# KiCad board RP2350pc_Rev_A.kicad_pcb (continued)
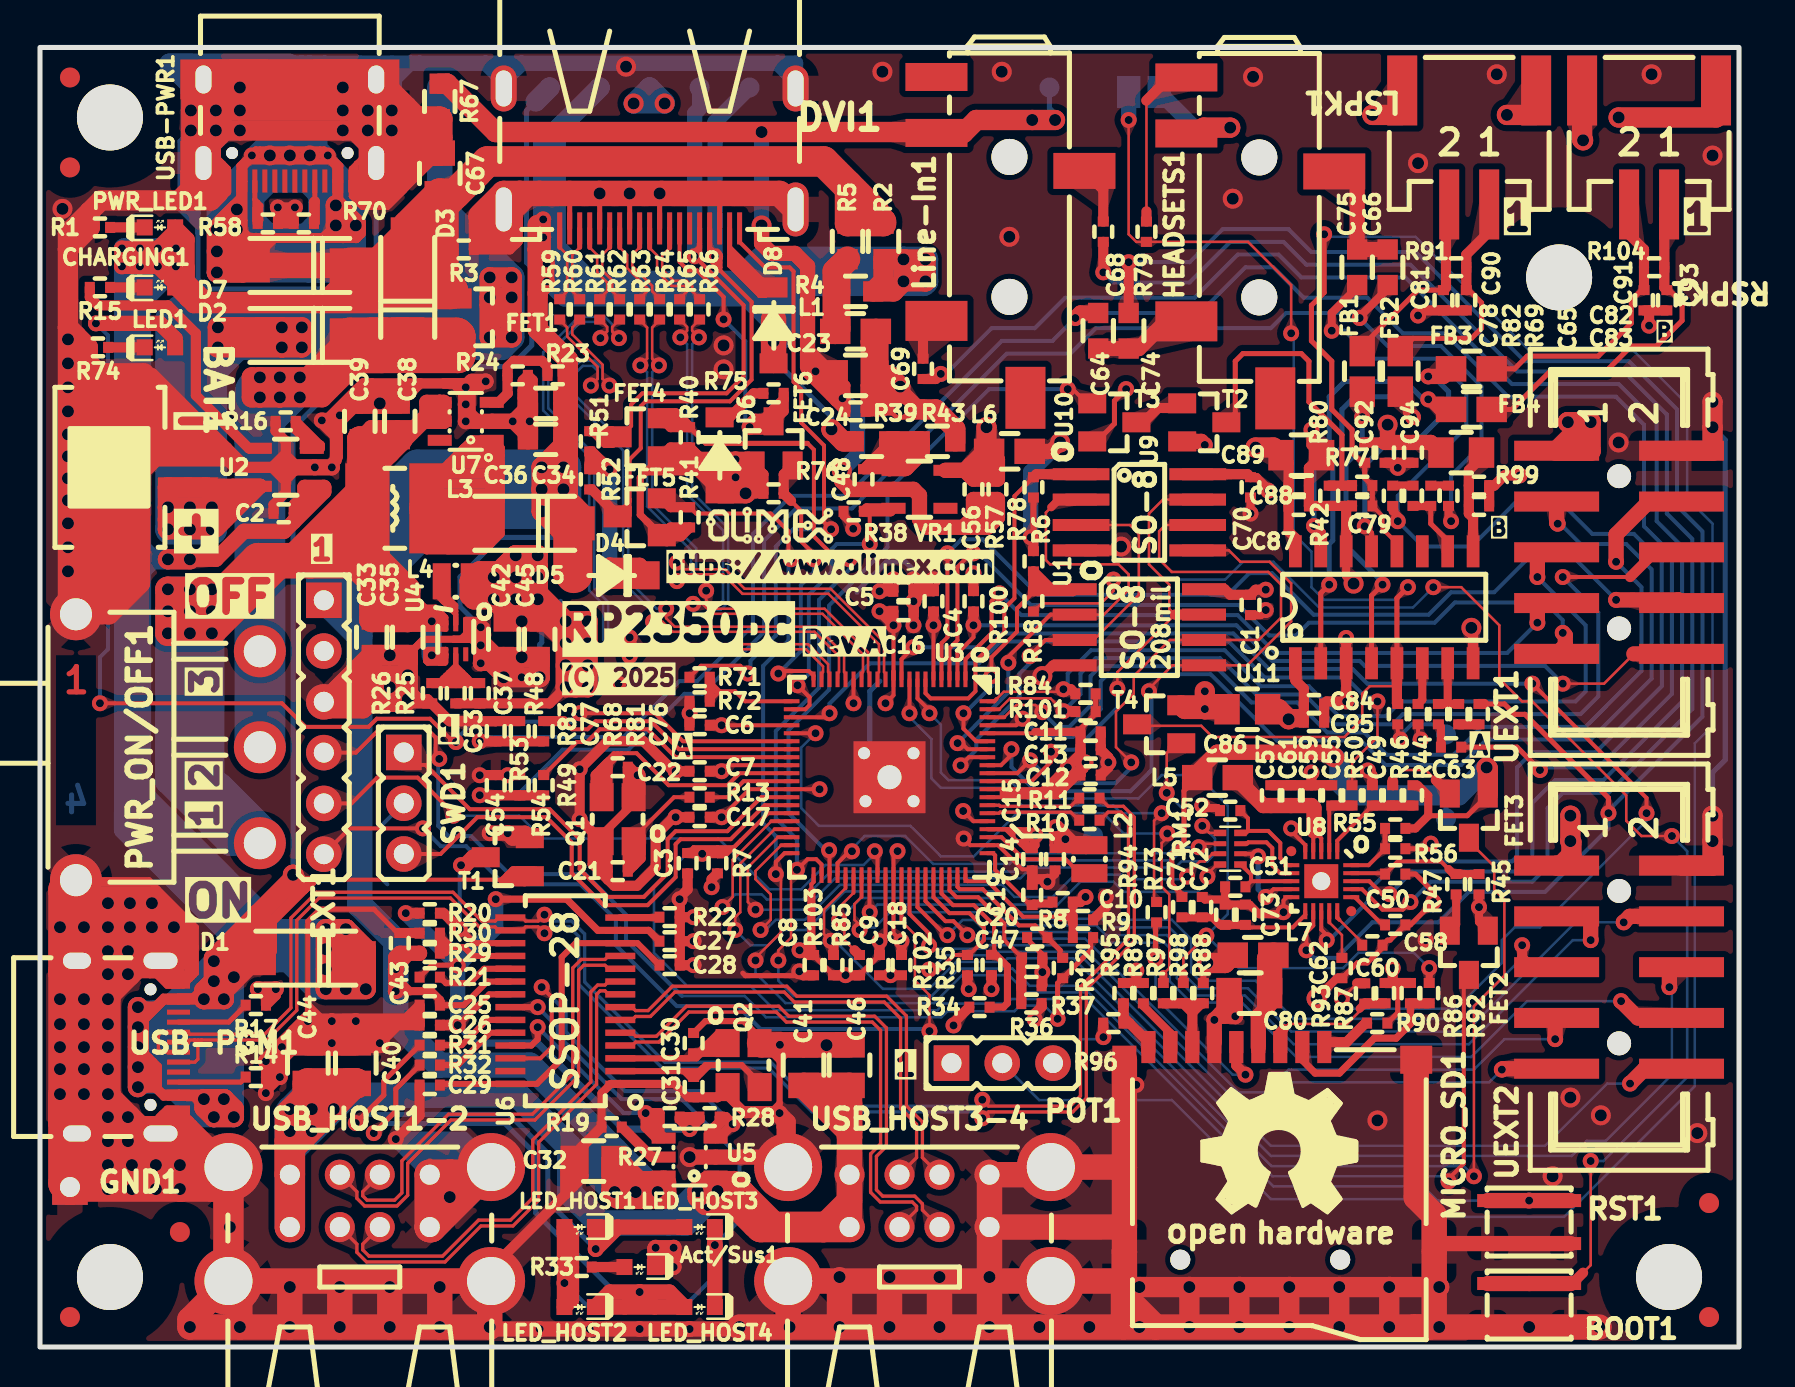
[diagram p0: board, top side]
## Footprints (pads in the part's own frame, mm; a bottom-side part is the same pattern mirrored in y, then rotated)
C_0402_5MIL_DWS
  rect 0.5x0.55 smd: 1(-0.508,0) 2(0.508,0)
C_0402_5MIL_DWS#2
  rect 0.45x0.55 smd: 1(-0.533,0) 2(0.533,0)
C_0603_5MIL_DWS
  rect 1.016x1.016 smd: 1(-0.889,0) 2(0.889,0)
C_0805_5MIL_DWS
  rect 1.27x1.524 smd: 1(-1.016,0) 2(1.016,0)
CD42(43)
  rect 1.75x4.5 smd: 1(-1.6,0) 2(1.6,0)
Fiducial1x3
  round 1 smd: Fid1(0,0)
Fiducial1x3_Paste
  round 1 smd: Fid1(0,0)
GBH-254-SMT-10
  trapezoid 1.7x4.55 smd: (-5.08,3.125) (-5.08,-3.125) (-2.54,3.125) (-2.54,-3.125) (0,3.125) (0,-3.125) (2.54,3.125) (2.54,-3.125) (5.08,3.125) (5.08,-3.125)
  round 1.2 hole 1.2 unplated: (-3.81,0) (3.81,0)
  rect 1x4.25 smd: 1(-5.08,-3.125) 2(-5.08,3.125) 3(-2.54,-3.125) 4(-2.54,3.125) 5(0,-3.125) 6(0,3.125) 7(2.54,-3.125) 8(2.54,3.125) 9(5.08,-3.125) 10(5.08,3.125)
HDMI-SWM-19_Paste
  rect 2.4x2.8 smd: (-7.85,1.45) (7.85,1.45)
  rect 2.4x3.2 smd: (-7.85,-4.6) (7.85,-4.6)
  oval 1.3x2.3 hole 0.8x1.8: 0(-7.3,1.45) 0(7.3,1.45)
  oval 1.3x2.7 hole 0.8x2.2: 0(-7.3,-4.6) 0(7.3,-4.6)
  rect 0.25x1.6 smd: 1(-4.5,-5.55) 2(-4,-5.55) 3(-3.5,-5.55) 4(-3,-5.55) 5(-2.5,-5.55) 6(-2,-5.55) 7(-1.5,-5.55) 8(-1,-5.55) 9(-0.5,-5.55) 10(0,-5.55) 11(0.5,-5.55) 12(1,-5.55) 13(1.5,-5.55) 14(2,-5.55) 15(2.5,-5.55) 16(3,-5.55) 17(3.5,-5.55) 18(4,-5.55) 19(4.5,-5.55)
HN1x3
  rect 1.778x1.778 hole 1: 1(-2.54,0)
  round 1.778 hole 1: 2(0,0) 3(2.54,0)
HN1x6
  rect 1.778x1.778 hole 1: 1(-6.35,0)
  round 1.778 hole 1: 2(-3.81,0) 3(-1.27,0) 4(1.27,0) 5(3.81,0) 6(6.35,0)
L_0805_5MIL_DWS
  rect 1.524x1.27 smd: 1(-1.016,0) 2(1.016,0)
L_2016_MM
  rect 1.1x2 smd: (-0.7,0) (0.7,0)
  rect 0.9x1.8 smd: 1(-0.7,0) 2(0.7,0)
LED_0603_KA
  rect 0.8x0.8 smd: 1(-0.762,0) 2(0.762,0)
Mounting_Hole_Drill-3.3mm_Clerance-7mm
  round 3.3 hole 3.3 unplated: (0,0)
PH2.0-2AT(BAT)
  rect 2.4x3.9 smd: (-3.3,0.275) (3.3,0.275)
  rect 1.4x3.4 smd: (-1,3.9) (1,3.9)
  rect 2x3.5 smd: 0(-3.3,0.275) 0(3.3,0.275)
  rect 1x3 smd: 1(1,3.9) 2(-1,3.9)
PH2.0-2PWB
  rect 1.9x3.9 smd: (-3.35,-2.6) (3.35,-2.6)
  rect 1.4x3.9 smd: (-1,3.1) (1,3.1)
  rect 1.5x3.5 smd: 0(-3.35,-2.6) 0(3.35,-2.6)
  rect 1x3.5 smd: 1(-1,3.1) 2(1,3.1)
PJ-W47S-05D2-LF_5PIN_V2_LongerPads
  rect 2x3.7 smd: (-7,-3.65) (-4.2,-3.65)
  round 1.8 hole 1.8 unplated: (-3,0) (4,0)
  rect 2.4x3.7 smd: (-2.3,3.75)
  rect 2.6x3.7 smd: (5.2,-3.65)
  rect 3.7x2.6 smd: (8.75,1)
  rect 1.4x3.1 smd: 1(-7,-3.65) 5(-4.2,-3.65)
  rect 2x3.1 smd: 2(5.2,-3.65)
  rect 1.8x3.1 smd: 3(-2.3,3.75)
  rect 3.1x2 smd: 4(9.05,0.8)
QFN-20_EP(21)_3x3x0.6mm_Pitch_0.4mm
  rect 0.8x0.211 smd: (-1.5,0.8) (-1.5,0.4) (-1.5,0) (-1.5,-0.4) (-1.5,-0.8) (1.5,0.8) (1.5,0.4) (1.5,0) (1.5,-0.4) (1.5,-0.8)
  rect 0.211x0.8 smd: (-0.8,1.5) (-0.8,-1.5) (-0.4,1.5) (-0.4,-1.5) (0,1.5) (0,-1.5) (0.4,1.5) (0.4,-1.5) (0.8,1.5) (0.8,-1.5)
  rect 0.4x0.5 smd: (-0.65,0) (0.65,0)
  rect 0.5x0.4 smd: (0,0.65) (0,-0.65)
  rect 0.2x0.8 smd: 1(-0.8,-1.5) 2(-0.4,-1.5) 3(0,-1.5) 4(0.4,-1.5) 5(0.8,-1.5) 11(0.8,1.5) 12(0.4,1.5) 13(0,1.5) 14(-0.4,1.5) 15(-0.8,1.5)
  rect 0.8x0.2 smd: 6(1.5,-0.8) 7(1.5,-0.4) 8(1.5,0) 9(1.5,0.4) 10(1.5,0.8) 16(-1.5,0.8) 17(-1.5,0.4) 18(-1.5,0) 19(-1.5,-0.4) 20(-1.5,-0.8)
  rect 1.4x1.4 hole 0.9: 21(0,0)
  rect 1.7x1.7 smd: 21(0,0)
  round 0.5 smd: FID1(1.5,-1.5) FID2(-1.5,1.5)
QFN-80_10.00x10.00x0.90mm_P0.4mm
  rect 0.791x0.211 smd: (-4.896,3.8) (-4.896,3.4) (-4.896,3) (-4.896,2.6) (-4.896,2.2) (-4.896,1.8) (-4.896,1.4) (-4.896,1) (-4.896,0.6) (-4.896,0.2) (-4.896,-0.2) (-4.896,-0.6) (-4.896,-1) (-4.896,-1.4) (-4.896,-1.8) (-4.896,-2.2) (-4.896,-2.6) (-4.896,-3) (-4.896,-3.4) (-4.896,-3.8) (4.896,3.8) (4.896,3.4) (4.896,3) (4.896,2.6) (4.896,2.2) (4.896,1.8) (4.896,1.4) (4.896,1) (4.896,0.6) (4.896,0.2) (4.896,-0.2) (4.896,-0.6) (4.896,-1) (4.896,-1.4) (4.896,-1.8) (4.896,-2.2) (4.896,-2.6) (4.896,-3) (4.896,-3.4) (4.896,-3.8)
  rect 0.211x0.791 smd: (-3.8,4.896) (-3.8,-4.896) (-3.4,4.896) (-3.4,-4.896) (-3,4.896) (-3,-4.896) (-2.6,4.896) (-2.6,-4.896) (-2.2,4.896) (-2.2,-4.896) (-1.8,4.896) (-1.8,-4.896) (-1.4,4.896) (-1.4,-4.896) (-1,4.896) (-1,-4.896) (-0.6,4.896) (-0.6,-4.896) (-0.2,4.896) (-0.2,-4.896) (0.2,4.896) (0.2,-4.896) (0.6,4.896) (0.6,-4.896) (1,4.896) (1,-4.896) (1.4,4.896) (1.4,-4.896) (1.8,4.896) (1.8,-4.896) (2.2,4.896) (2.2,-4.896) (2.6,4.896) (2.6,-4.896) (3,4.896) (3,-4.896) (3.4,4.896) (3.4,-4.896) (3.8,4.896) (3.8,-4.896)
  rect 0.9x1.7 smd: (-1.25,0) (1.25,0)
  rect 1x1 smd: (0,1.2) (0,-1.2)
  rect 0.2x0.78 smd: 1(-3.8,-4.896) 2(-3.4,-4.896) 3(-3,-4.896) 4(-2.6,-4.896) 5(-2.2,-4.896) 6(-1.8,-4.896) 7(-1.4,-4.896) 8(-1,-4.896) 9(-0.6,-4.896) 10(-0.2,-4.896) 11(0.2,-4.896) 12(0.6,-4.896) 13(1,-4.896) 14(1.4,-4.896) 15(1.8,-4.896) 16(2.2,-4.896) 17(2.6,-4.896) 18(3,-4.896) 19(3.4,-4.896) 20(3.8,-4.896) 41(3.8,4.896) 42(3.4,4.896) 43(3,4.896) 44(2.6,4.896) 45(2.2,4.896) 46(1.8,4.896) 47(1.4,4.896) 48(1,4.896) 49(0.6,4.896) 50(0.2,4.896) 51(-0.2,4.896) 52(-0.6,4.896) 53(-1,4.896) 54(-1.4,4.896) 55(-1.8,4.896) 56(-2.2,4.896) 57(-2.6,4.896) 58(-3,4.896) 59(-3.4,4.896) 60(-3.8,4.896)
  rect 0.78x0.2 smd: 21(4.896,-3.8) 22(4.896,-3.4) 23(4.896,-3) 24(4.896,-2.6) 25(4.896,-2.2) 26(4.896,-1.8) 27(4.896,-1.4) 28(4.896,-1) 29(4.896,-0.6) 30(4.896,-0.2) 31(4.896,0.2) 32(4.896,0.6) 33(4.896,1) 34(4.896,1.4) 35(4.896,1.8) 36(4.896,2.2) 37(4.896,2.6) 38(4.896,3) 39(4.896,3.4) 40(4.896,3.8) 61(-4.896,3.8) 62(-4.896,3.4) 63(-4.896,3) 64(-4.896,2.6) 65(-4.896,2.2) 66(-4.896,1.8) 67(-4.896,1.4) 68(-4.896,1) 69(-4.896,0.6) 70(-4.896,0.2) 71(-4.896,-0.2) 72(-4.896,-0.6) 73(-4.896,-1) 74(-4.896,-1.4) 75(-4.896,-1.8) 76(-4.896,-2.2) 77(-4.896,-2.6) 78(-4.896,-3) 79(-4.896,-3.4) 80(-4.896,-3.8)
  round 1 hole 0.6: 81(-1.2,1.2) 81(-1.2,-1.2) 81(1.2,1.2) 81(1.27,-1.2)
  round 1.8 hole 1.2: 81(0,0)
  rect 3.6x3.6 smd: 81(0,0)
R_0402_5MIL_DWS
  rect 0.5x0.55 smd: 1(-0.508,0) 2(0.508,0)
R_0603_5MIL_DWS
  rect 1.016x1.016 smd: 1(-0.889,0) 2(0.889,0)
R_0805_5MIL_DWS
  rect 1.27x1.524 smd: 1(-1.016,0) 2(1.016,0)
RA0805_(4X0402)_xx_BIGGEROUTPADS
  rect 0.325x0.625 smd: 1.1(-0.79,-0.512) 1.2(-0.79,0.512) 4.1(0.79,-0.512) 4.2(0.79,0.512)
  rect 0.25x0.625 smd: 2.1(-0.25,-0.512) 2.2(-0.25,0.512) 3.1(0.25,-0.512) 3.2(0.25,0.512)
SJ
  rect 1.168x1.6 smd: 1(-0.762,0) 2(0.762,0)
SMA-KA
  rect 2x1.7 smd: 1(-2.5,0) 2(2.5,0)
  rect 1.746x1.192 smd: 1(-2.373,0) 2(2.373,0)
SO-8
  rect 0.6x2.2 smd: 1(-1.905,-2.6) 2(-0.635,-2.6) 3(0.635,-2.6) 4(1.905,-2.6) 5(1.905,2.6) 6(0.635,2.6) 7(-0.635,2.6) 8(-1.905,2.6)
SO-8_208mil
  rect 0.6x2.2 smd: 1(-1.905,-3.235) 2(-0.635,-3.235) 3(0.635,-3.235) 4(1.905,-3.235) 5(1.905,3.235) 6(0.635,3.235) 7(-0.635,3.235) 8(-1.905,3.235)
SO-16
  rect 0.635x1.6 smd: 1(-4.445,-2.8) 2(-3.175,-2.8) 3(-1.905,-2.8) 4(-0.635,-2.8) 5(0.635,-2.8) 6(1.905,-2.8) 7(3.175,-2.8) 8(4.445,-2.8) 9(4.445,2.8) 10(3.175,2.8) 11(1.905,2.8) 12(0.635,2.8) 13(-0.635,2.8) 14(-1.905,2.8) 15(-3.175,2.8) 16(-4.445,2.8)
SOD-123_1C-2A_KA
  rect 1x1.4 smd: 1(-1.9,0) 2(1.9,0)
SOT23
  rect 1.4x1 smd: 1(1.107,-0.95) 2(1.107,0.953) 3(-1.102,-0.003)
SOT23-6
  rect 1.2x0.55 smd: 1(1.3,-0.95) 2(1.3,0) 3(1.3,0.95) 4(-1.3,0.95) 5(-1.3,0) 6(-1.3,-0.95)
SOT-23-5
  rect 1.2x0.55 smd: 1(1.3,-0.95) 2(1.3,0) 3(1.3,0.95) 4(-1.3,0.95) 5(-1.3,-0.95)
SOT-563-6
  rect 0.75x0.23 smd: (-0.775,0.5) (-0.775,0) (-0.775,-0.5) (0.775,0.5) (0.775,0) (0.775,-0.5)
  rect 0.7x0.25 smd: 1(0.75,-0.5) 2(0.75,0) 3(0.75,0.5) 4(-0.75,0.5) 5(-0.75,0) 6(-0.75,-0.5)
SS-12D11G5
  round 2.6 hole 1.6: 0(-6.65,9.2) 0(6.65,9.2) 1(-4.8,0) 2(0,0) 3(4.8,0)
SSOP28_10x4mm_Pitch_0.64mm
  rect 0.32x1.5 smd: 1(-4.16,-2.75) 2(-3.52,-2.75) 3(-2.88,-2.75) 4(-2.24,-2.75) 5(-1.6,-2.75) 6(-0.96,-2.75) 7(-0.32,-2.75) 8(0.32,-2.75) 9(0.96,-2.75) 10(1.6,-2.75) 11(2.24,-2.75) 12(2.88,-2.75) 13(3.52,-2.75) 14(4.16,-2.75) 15(4.16,2.75) 16(3.52,2.75) 17(2.88,2.75) 18(2.24,2.75) 19(1.6,2.75) 20(0.96,2.75) 21(0.32,2.75) 22(-0.32,2.75) 23(-0.96,2.75) 24(-1.6,2.75) 25(-2.24,2.75) 26(-2.88,2.75) 27(-3.52,2.75) 28(-4.16,2.75)
TEST_PAD40x70_SQUARE
  rect 1.778x1.778 hole 1: 1(0,0)
TESTPAD_40-ROUND
  round 1 smd: 1(0,0)
TFC-WPAPR-08
  rect 1.8x1.8 smd: (-6.37,6.95)
  rect 1.8x1.4 smd: (-6.37,-7.85)
  rect 2.6x1.4 smd: (3.23,7.85) (3.23,-7.85)
  round 1 hole 1 unplated: (3.632,3.048) (3.632,-4.953)
  rect 1.1x0.7 smd: 1(-7.25,2.25) 2(-7.25,1.15) 3(-7.25,0.05) 4(-7.25,-1.05) 5(-7.25,-2.15) 6(-7.25,-3.25) 7(-7.25,-4.35) 8(-7.25,-5.45) 9(-7.25,-6.55)
  rect 1.6x0.7 smd: 1(-7,2.25) 2(-7,1.15) 3(-7,0.05) 4(-7,-1.05) 5(-7,-2.15) 6(-7,-3.25) 7(-7,-4.35) 8(-7,-5.45) 9(-7,-6.55)
  rect 1.4x1.2 smd: 10(-6.37,-7.75)
  rect 1.4x1.6 smd: 11(-6.37,6.85)
  rect 2.2x1.2 smd: 12(3.23,-7.75) 13(3.23,7.75)
TSX-3.2x2.5mm_GND(3)
  rect 1.4x1.2 smd: 1(-1.1,-0.8) 2(1.1,0.8) 3(-1.1,0.8) 3(1.1,-0.8)
USB2.0_TYPE-C(A40-00119-A52-12)_Paste
  rect 3.2x2.1 smd: (-3.03,4.928) (-3.03,-4.928)
  round 0.6 hole 0.6 unplated: (-2.53,2.89) (-2.53,-2.89)
  rect 3x2.1 smd: (1.15,4.928) (1.15,-4.928)
  rect 2.2x1.1 smd: 0(-3.03,4.928) 0(-3.03,-4.928)
  oval 2.2x1.2 hole 1.7x0.8: 0(-3.03,4.32) 0(-3.03,-4.32)
  rect 2x1.1 smd: 0(1.15,4.928) 0(1.15,-4.928)
  oval 2x1.3 hole 1.4x0.8: 0(1.15,4.32) 0(1.15,-4.32)
  rect 1.15x0.3 smd: A1(-3.932,-3.325) A4(-3.932,-2.525) A9(-3.932,2.525) A12(-3.932,3.325) B1(-3.932,3.075) B4(-3.932,2.275) B9(-3.932,-2.275) B12(-3.932,-3.075)
  rect 1.15x0.25 smd: A5(-3.932,-1.25) A6(-3.932,-0.25) A7(-3.932,0.25) A8(-3.932,1.25) B5(-3.932,1.75) B6(-3.932,0.75) B7(-3.932,-0.75) B8(-3.932,-1.75)
USB_TWO_LEVEL
  round 3.4 hole 2.4: 0(-6.57,3) 0(-6.57,-2.7) 0(6.57,3) 0(6.57,-2.7)
  round 1.5 hole 1: 1.1(-3.5,2.62) 1.2(-1,2.62) 1.3(1,2.62) 1.4(3.5,2.62) 2.1(-3.5,0) 2.2(-1,0) 2.3(1,0) 2.4(3.5,0)
YTS-A016-X
  rect 1.4x1 smd: (-2.075,1.075) (-2.075,-1.075) (2.075,1.075) (2.075,-1.075)
  rect 1.05x0.65 smd: 1(-2.075,1.075) 1(2.075,1.075) 2(-2.075,-1.075) 2(2.075,-1.075)

## Nets
+3.3V: +3.3V1.1 C1.2 C4.1 C5.1 C6.1 C7.1 C8.1 C9.1 C10.1 C11.1 C12.1 C13.1 C14.1 C37.2 C42.1 C45.1 C70.2 D6.2 EXT1.2 FET4.1 FET5.1 FET6.1 L4.1 L6.1 L7.1 R6.1 R7.1 R8.1 R9.1 R25.2 R38.1 R40.1 R41.1 R76.1 R78.1 R84.1 R85.1 R86.1 R87.1 R88.1 R89.1 R90.1 R95.1 R100.2 R101.2 R102.2 R103.2 U1.8 U3.5 U3.15 U3.24 U3.29 U3.41 U3.50 U3.60 U3.64 U3.68 U3.69 U3.76 U9.8 U10.8 UEXT1.1 UEXT2.1
+3.3VA: +3.3VA1.1 C56.1 FET2.1 FET3.1 L5.1 L6.2 R44.2 R45.2 R55.2 R57.1 R73.1 VR1.5
+5V: +5V1.1 C25.1 C32.1 C34.1 C36.1 C43.2 D4.1 D5.2 D8.2 EXT1.1 R2.2 R4.1 R23.1 R29.2 R39.1 U5.6 U6.20
+5V_USB: +5V_USB1.1 C2.1 C67.2 CHARGING1.2 D1.1 D3.2 D7.1 D7.2 FET1.1 PWR_LED1.2 R2.1 R3.1 R5.1 R34.1 U2.4 USB-PWR1.A4 USB-PWR1.A9 USB-PWR1.B4 USB-PWR1.B9
+5VA: +5VA1.1 C23.1 C24.2 C84.2 C85.1 C86.2 C87.2 C88.1 C89.2 C92.2 C94.2 L1.2 POT1.1 R43.1 R80.2 R83.1 R99.2 T2.2 U11.1 U11.16
/+1V1: +1V1.1 C15.1 C16.1 C17.1 C18.1 L2.1 U3.10 U3.32 U3.51 U3.65
/+5V_USB_HOST: C40.2 C41.2 C44.2 C46.2 U5.1 USB_HOST1-2.1.1 USB_HOST1-2.2.1 USB_HOST3-4.1.1 USB_HOST3-4.2.1
GND: Act/Sus1.1 BAT1.0 BAT1.2 BOOT1.2 C1.1 C2.2 C3.2 C4.2 C5.2 C6.2 C7.2 C8.2 C9.2 C10.2 C11.2 C12.2 C13.2 C14.2 C15.2 C16.2 C17.2 C18.2 C19.2 C20.2 C21.2 C22.2 C25.2 C26.2 C27.2 C28.2 C29.2 C30.2 C31.2 C32.2 C33.2 C34.2 C35.2 C36.2 C38.2 C39.2 C40.1 C41.1 C42.2 C43.1 C44.1 C45.2 C46.1 C47.1 C53.2 C54.2 C67.1 C70.1 C80.2 DVI1.0 DVI1.2 DVI1.5 DVI1.8 DVI1.11 DVI1.17 EXT1.3 GND1.1 GND2.1 MICRO_SD1.6 MICRO_SD1.10 MICRO_SD1.11 MICRO_SD1.12 MICRO_SD1.13 PWR_ON/OFF1.0 Q1.3 Q2.3 R1.2 R3.2 R14.1 R16.2 R17.1 R19.1 R22.1 R24.2 R26.2 R30.2 R35.2 R37.2 R53.2 R54.2 R58.1 R67.1 R70.1 R72.2 R74.2 RST1.2 SWD1.2 T1.2 U1.4 U2.2 U3.62 U3.81 U4.1 U5.2 U6.1 U7.2 U9.4 U10.4 UEXT1.2 UEXT2.2 USB-PGM1.0 USB-PGM1.A1 USB-PGM1.A12 USB-PGM1.B1 USB-PGM1.B12 USB-PWR1.0 USB-PWR1.A1 USB-PWR1.A12 USB-PWR1.B1 USB-PWR1.B12 USB_HOST1-2.0 USB_HOST1-2.1.4 USB_HOST1-2.2.4 USB_HOST3-4.0 USB_HOST3-4.1.4 USB_HOST3-4.2.4
GNDA: AMP_SHDN_E1.2 C23.2 C24.1 C48.2 C49.2 C50.2 C51.2 C52.2 C55.2 C56.2 C57.2 C58.2 C59.2 C60.2 C61.2 C62.2 C71.2 C72.2 C73.1 C77.2 C79.2 C81.2 C82.1 C83.1 C84.1 C85.2 C86.1 C87.1 C88.2 C89.1 C90.1 C91.2 C92.1 C93.1 C94.1 GNDA1.1 HEADSETS1.5 Line-In1.5 LSPK1.0 POT1.3 R42.2 R56.2 R57.2 R67.2 RSPK1.0 T3.2 T4.2 U8.5 U8.10 U8.21 U11.3 U11.8 U11.14 VR1.2
VBAT: BAT1.1 D2.2 FET1.3 R36.1 U2.3 VBAT1.1
VBUS: D1.2 T1.1 USB-PGM1.A4 USB-PGM1.A9 USB-PGM1.B4 USB-PGM1.B9 VBUS1.1
/ADC_AVDD: C20.1 R12.2 U3.59
/ADC_VREF: EXT1.4 R9.2 R12.1
/AMP-L: R68.2 R81.1 U11.7
/AMP-R: R69.2 R82.1 U11.10
/AMP-SHDN#: AMP_SHDN_E1.1 R79.2 R83.2 T4.3 U11.5
/AMP-VOL: C79.1 POT1.2 R77.2 R80.1 U11.12
/AMP_VDD: C82.2 C83.2 R99.1 U11.9
/AUD-L: C53.1 C63.1 C64.1 R48.1 R53.1
/AUD-R: C54.1 C65.1 C66.1 R49.1 R54.1
/BOOTSEL#: BOOT1.1 R18.2
/CK+: DVI1.10 R65.2
/CK-: DVI1.12 R66.2
/D0+: DVI1.7 R63.2
/D0-: DVI1.9 R64.2
/D1+: DVI1.4 R61.2
/D1-: DVI1.6 R62.2
/D2+: DVI1.1 R59.2
/D2-: DVI1.3 R60.2
/D+: R11.2 U3.67
/D-: R10.2 U3.66
/DCDC_VIN: C33.1 C35.1 C38.1 C39.1 L3.2 PWR_ON/OFF1.1 U4.3 U4.4 U7.4 U7.5
/GPIO0\UART0_TX: U3.77 UEXT1.3
/GPIO1\UART0_RX: U3.78 UEXT1.4
/GPIO2\I2C1_SDA: R101.1 U3.79 UEXT1.6
/GPIO3\I2C1_SCL: R84.2 U3.80 UEXT1.5
/GPIO4\SPI0_RX(MISO): U3.1 UEXT1.7
/GPIO5\SPI0_CSn(CS#): R100.1 U3.2 UEXT1.10
/GPIO6\SPI0_SCK(SCK): U3.3 UEXT1.9
/GPIO7\SPI0_TX(MOSI): U3.4 UEXT1.8
/GPIO8\QMI_CS1n: R78.2 U3.6 U9.1 U10.1
/GPIO9\SPI1_CSn\SD_DAT0: R92.1 R98.1 U3.7
/GPIO10\SPI1_SCK\SD_CLK: R94.1 U3.8
/GPIO11\SPI1_TX\SD_CMD: R93.1 U3.9
/GPIO20\HDMI_CEC: FET6.2 R76.2 U3.20
/GPIO21\HDMI_HPD: R71.2 R72.1 U3.21
/GPIO22\CODEC_PWR_DIS#: R38.2 U3.22 VR1.3
/GPIO23\GPOUT1\CODEC_MCLK: R50.2 U3.23
/GPIO24\SPI1_RX\SD_DAT0: R97.1 U3.25
/GPIO25\User_Led: LED1.2 U3.26
/GPIO26\PWM5_A\PWM_AUDIO-L: R48.2 U3.27
/GPIO27\PWM5_B\PWM_AUDIO-R: R49.2 U3.28
/GPIO28\SPI1_RX\CODEC_ASDOUT: RM1.2.1 U3.36
/GPIO29\SPI1_CSn\CODEC_LRCK: RM1.4.1 U3.37
/GPIO30\SPI1_SCK\CODEC_SCLK: RM1.1.1 U3.38
/GPIO31\SPI1_TX\CODEC_DSDIN: RM1.3.1 U3.39
/GPIO32\I2C0_SDA: FET2.3 FET5.2 R41.2 U3.40
/GPIO33\I2C0_SCL: FET3.3 FET4.2 R40.2 U3.42
/GPIO34\PWM9_A\AMP_VOL: T3.1 U3.43
/GPIO35\AMP_SHDN: T4.1 U3.44
/GPIO36\I2C0_SDA: R103.1 U3.45 UEXT2.6
/GPIO37\I2C0_SCL: R85.2 U3.46 UEXT2.5
/GPIO38\UART1_TX: U3.47 UEXT2.3
/GPIO39\UART1_RX: U3.48 UEXT2.4
/GPIO40\ADC0: EXT1.5 U3.49
/GPIO41\ADC1\SD_CD#: EXT1.6 R96.1 U3.52
/GPIO42\SPI1_SCK: U3.53 UEXT2.9
/GPIO43\SPI1_TX: U3.54 UEXT2.8
/GPIO44\SPI1_RX: U3.55 UEXT2.7
/GPIO45\SPI1_CSn: R102.1 U3.56 UEXT2.10
/GPIO46\PWR_SENS: R34.2 R35.1 U3.57
/GPIO47\BAT_SENS: C47.2 R36.2 R37.1 U3.58
/HCEC: DVI1.13 FET6.3 R75.1
/HDMI_CK+: R65.1 U3.13
/HDMI_CK-: R66.1 U3.14
/HDMI_D0+: R63.1 U3.11
/HDMI_D0-: R64.1 U3.12
/HDMI_D1+: R61.1 U3.18
/HDMI_D1-: R62.1 U3.19
/HDMI_D2+: R59.1 U3.16
/HDMI_D2-: R60.1 U3.17
/HHPD: DVI1.19 R71.1
/HP-L: C64.2 C74.1 HEADSETS1.2
/HP-R: C66.2 C75.1 HEADSETS1.3
/HP_DET: HEADSETS1.1 R79.1
/HPWR_I2C: D5.1 R51.2 R52.2
/HPWR_OUT: D8.1 DVI1.18
/HSCL: DVI1.15 FET4.3 HSCL1.1 R51.1
/HSDA: DVI1.16 FET5.3 HSDA1.1 R52.1
/HUB_DRV: LED_HOST1.2 LED_HOST2.2 LED_HOST3.1 LED_HOST4.1 R33.1 U6.22
/HUB_LED1: R31.1 U6.23
/HUB_LED2: R32.1 U6.24
/HUB_RST#: R20.2 T1.3 U6.17
/LX2: D4.2 L3.1 U7.1
/OVCUR#: R28.1 U5.3 U6.26
/PWR_CC1: R70.2 USB-PWR1.A5
/PWR_CC2: R58.2 USB-PWR1.B5
/PWR_SW: D2.1 D3.1 FET1.2 PWR_ON/OFF1.2 PWR_ON/OFF1.3
/PWREN#: R27.1 U5.4 U6.25
/QSPI_CLK: U1.6 U3.71 U9.6 U10.6
/QSPI_CSn: R6.2 R18.1 U1.1 U3.75
/QSPI_SD0: U1.5 U3.72 U9.5 U10.5
/QSPI_SD1: U1.2 U3.74 U9.2 U10.2
/QSPI_SD2: U1.3 U3.73 U9.3 U10.3
/QSPI_SD3: U1.7 U3.70 U9.7 U10.7
/RUN: C3.1 R7.2 RST1.1 U3.35
/SD_VDD: C80.1 L7.2 MICRO_SD1.4
/SW1: L4.2 U4.2
/SWCLK: SWD1.1 U3.33
/SWDIO: SWD1.3 U3.34
/USB_CC1: R17.2 USB-PGM1.A5
/USB_CC2: R14.2 USB-PGM1.B5
/USB_D1+: U6.11 USB_HOST1-2.1.3
/USB_D1-: U6.10 USB_HOST1-2.1.2
/USB_D2+: U6.9 USB_HOST1-2.2.3
/USB_D2-: U6.8 USB_HOST1-2.2.2
/USB_D3+: U6.7 USB_HOST3-4.1.3
/USB_D3-: U6.6 USB_HOST3-4.1.2
/USB_D4+: U6.5 USB_HOST3-4.2.3
/USB_D4-: U6.4 USB_HOST3-4.2.2
/USB_D+: R11.1 U6.16 USB-PGM1.A6 USB-PGM1.B6
/USB_D-: R10.1 U6.15 USB-PGM1.A7 USB-PGM1.B7
/VD18_O: C28.1 C29.1 U6.12 U6.28
/VD33_O: C26.1 C27.1 R20.1 R21.1 R27.2 R28.2 U6.13 U6.21
/VREG_AVDD: C19.1 R8.2 U3.61
Net-(Act/Sus1-A): Act/Sus1.2 R33.2
Net-(C21-Pad1): C21.1 Q1.1 R13.1
Net-(C63-Pad2): C63.2 R68.1
Net-(C65-Pad2): C65.2 R69.1
Net-(C68-Pad1): C68.1 Line-In1.3
Net-(C69-Pad1): C69.1 Line-In1.2
Net-(C76-Pad1): C76.1 R81.2
Net-(C78-Pad1): C78.1 R82.2
Net-(CHARGING1-K): CHARGING1.1 R15.1
Net-(D6-K): D6.1 R75.2
Net-(FET2-S): FET2.2 R47.2
Net-(FET3-S): FET3.2 R46.2
Net-(L1-Pad1): L1.1 R4.2 R5.2
Net-(LED1-K): LED1.1 R74.1
Net-(LED_HOST1-K): LED_HOST1.1 LED_HOST3.2 R31.2
Net-(LED_HOST2-K): LED_HOST2.1 LED_HOST4.2 R32.2
Net-(LSPK1-P1): C90.2 FB2.1 LSPK1.1 R91.2
Net-(LSPK1-P2): C81.1 FB1.1 LSPK1.2 R91.1
Net-(MICRO_SD1-CD/DAT3/CS): MICRO_SD1.2 R86.2 R92.2
Net-(MICRO_SD1-CLK/SCLK): MICRO_SD1.5 R94.2
Net-(MICRO_SD1-CMD/DI): MICRO_SD1.3 R87.2 R93.2
Net-(MICRO_SD1-DAT0/DO): MICRO_SD1.7 R88.2 R97.2 R98.2
Net-(MICRO_SD1-DAT1/RES): MICRO_SD1.8 R89.2
Net-(MICRO_SD1-DAT2/RES): MICRO_SD1.1 R90.2
Net-(MICRO_SD1-Pad9): MICRO_SD1.9 R95.2 R96.2
Net-(PWR_LED1-K): PWR_LED1.1 R1.1
Net-(RSPK1-P1): C93.2 FB4.1 R104.2 RSPK1.1
Net-(RSPK1-P2): C91.1 FB3.1 R104.1 RSPK1.2
Net-(T2-B): T2.1 T3.3
Net-(T2-C): R42.1 R77.1 T2.3
Net-(U2-CHRGb): R15.2 U2.1
Net-(U2-PROG): R16.1 U2.5
Net-(U3-VREG_LX): L2.2 U3.63
Net-(U3-XIN): C22.1 Q1.2 U3.30
Net-(U3-XOUT): R13.2 U3.31
Net-(U4-FB): C37.1 R25.1 R26.1 U4.5
Net-(U5-ISET): R19.2 U5.5
Net-(U6-BUSJ): R21.2 U6.19
Net-(U6-REXT): R22.2 U6.14
Net-(U6-VBUSM): R29.1 R30.1 U6.18
Net-(U6-XI): C30.1 Q2.1 U6.3
Net-(U6-XO): C31.1 Q2.2 U6.2
Net-(U7-FB): R23.2 R24.1 U7.3
Net-(U8-ADCVREF): C60.1 U8.15
Net-(U8-ASDOUT): RM1.2.2 U8.7
Net-(U8-AVDD): C71.1 C72.1 C73.2 R73.2 U8.11